# Altium PCB Template_F411.PcbDoc
Units mil, origin at the board's own origin, x right, y up, seen from the top; angles counter-clockwise.
Board outline 6000 x 4000 mil, 2 copper layers (Top Layer, Bottom Layer), stack 61.2 mil thick; 35 components, 51 nets, 215 pads, 100 vias.
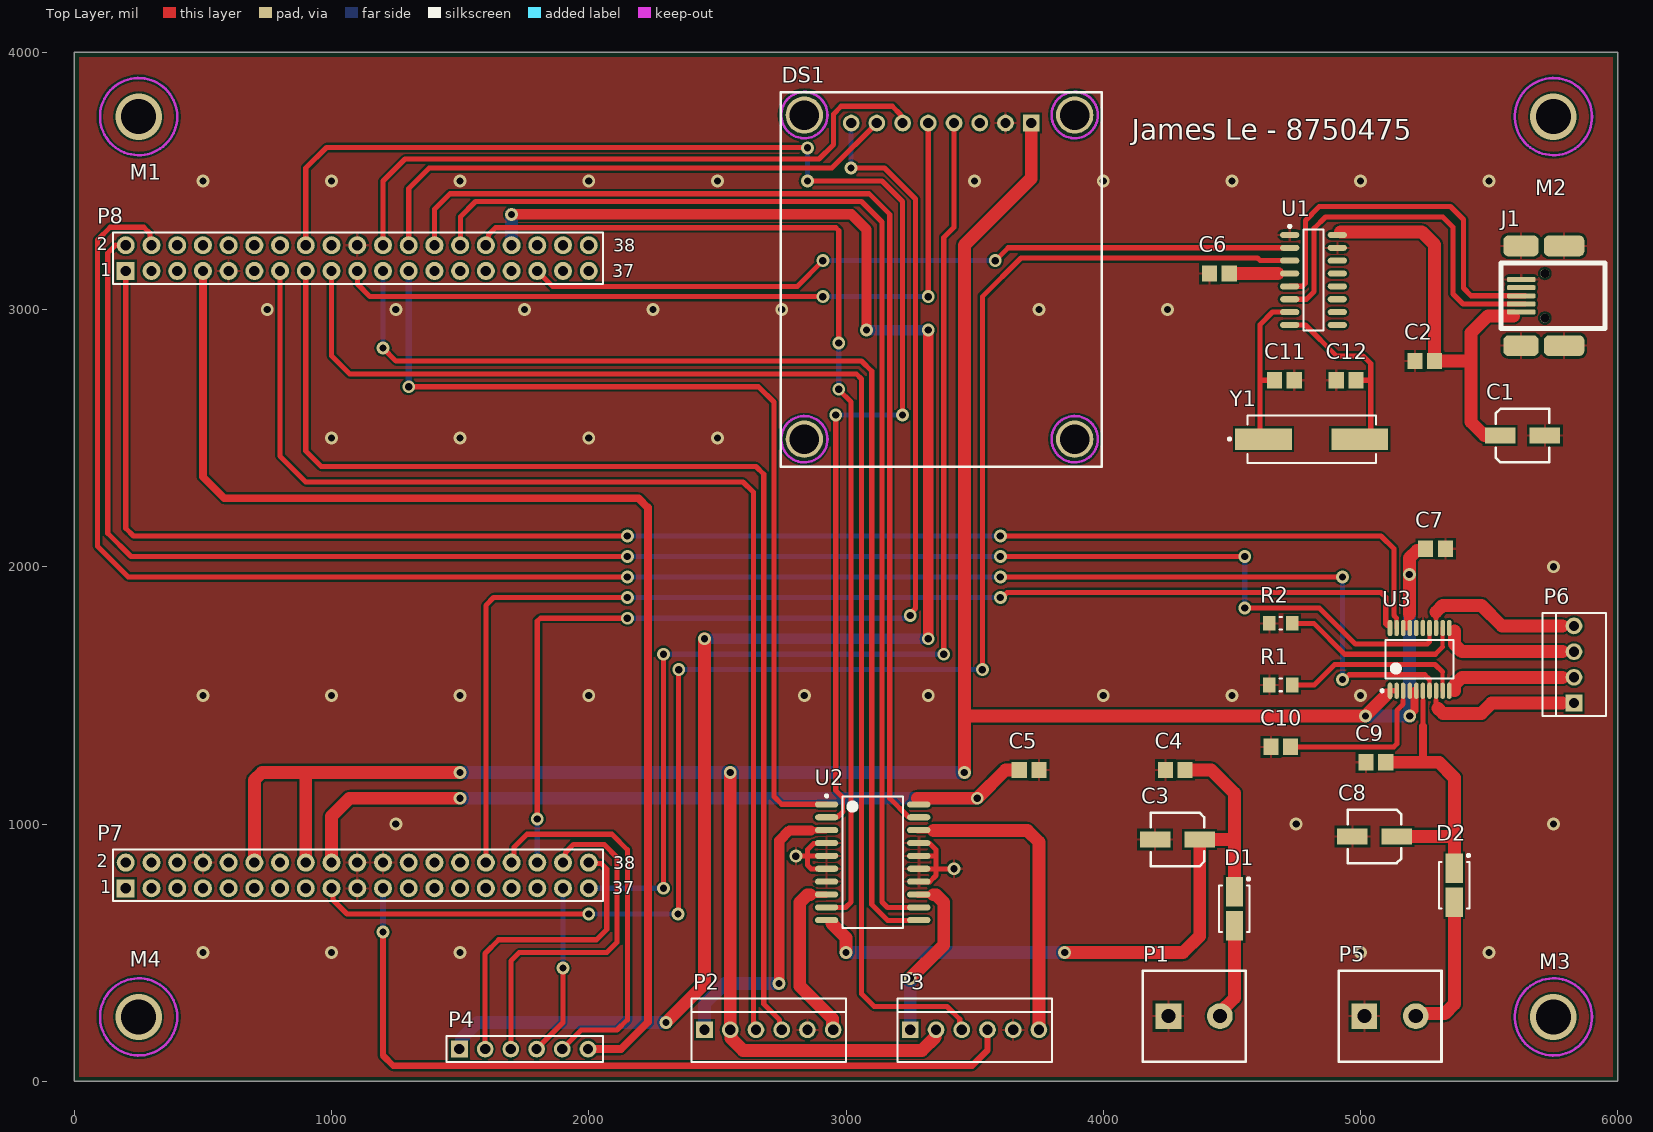
[diagram p0: Top Layer view]
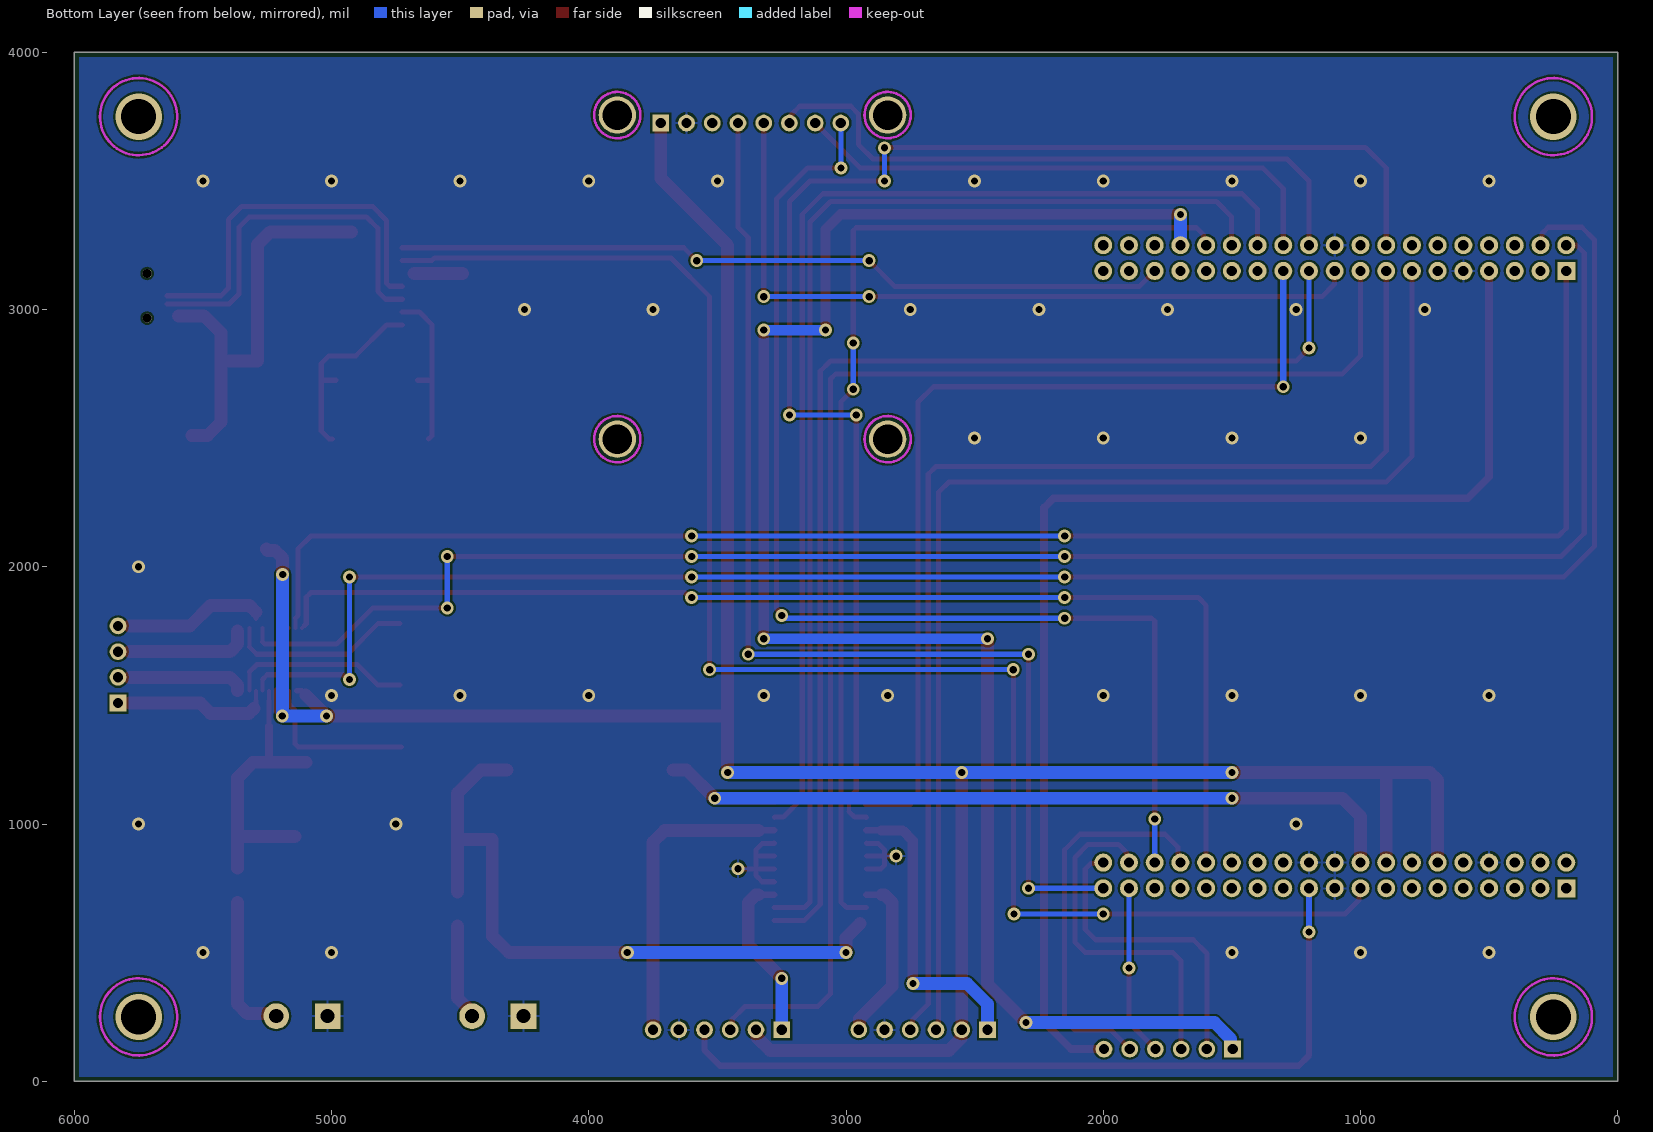
[diagram p1: Bottom Layer view, seen from below]
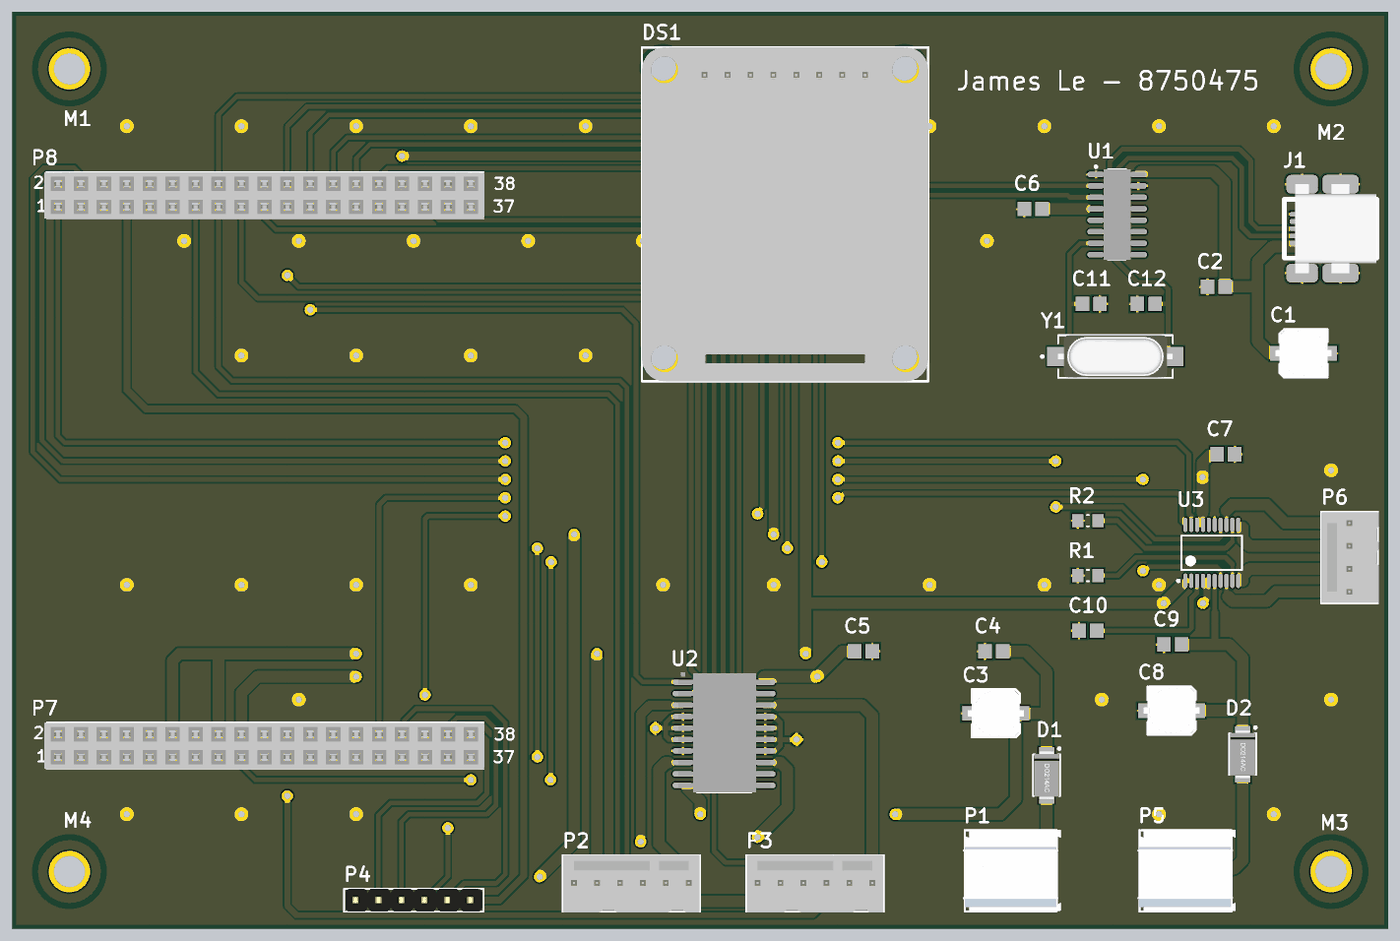
[diagram p2: 3D render of the assembled board from above, using the file's embedded part models]

## Layer stack, top to bottom
Top Solder: solder mask 0.4, Solder Resist, Dk 3.5
Top Layer: signal copper 1.4
Dielectric 1: dielectric 58.4, FR-4, Dk 4.8
Bottom Layer: signal copper 1.4
Bottom Solder: solder mask 0.4, Solder Resist, Dk 3.5

## Board outline
0,0 6000,0 6000,4000 0,4000

## Design rules (kind name [scope] priority, off if disabled: settings)
Clearance "Stitching GND" [IsStitchingVia and InNet('GND') vs (IsVia and (Not IsStitchingVia)) Or IsPad] p1: gap=20 ignorepadtopadclearanceinfootprint=FALSE
Clearance [All] p2: gap=8 ignorepadtopadclearanceinfootprint=TRUE
Clearance PowerClearance [InNetClass('POWER')] p3: gap=30 ignorepadtopadclearanceinfootprint=TRUE
HoleSize [All] p1: absolutevalues=TRUE maxlimit=150 minlimit=20 maxpercent=80.000 minpercent=20.000
MinimumAnnularRing [All] p1: minimumring=10
MinimumSolderMaskSliver [All] p1: minsoldermaskwidth=1.8
PolygonConnect [All] p1: connectstyle=Relief reliefconductorwidth=10 reliefentries=4 polygonreliefangle="90 Angle" airgapwidth=10
RoutingVias [All] p1: holewidth=28 width=50 viastyle="Through Hole" minholewidth=20 minwidth=30 maxholewidth=40 maxwidth=50
SolderMaskExpansion [All] p1: expansion=5 istentingtop=FALSE
Width Power [InNetClass('POWER')] p1: maxlimit=100 minlimit=15 preferedwidth=50
Width [All] p2: maxlimit=25 minlimit=10 preferedwidth=20
28 further rules are at their usual default settings.

## Classes and differential pairs
net class POWER: 3V3 5V AGND AVDD GND NetC6_2 NetC8_1 NetD1_2 NetD2_2 NetP2_1 NetP2_6 NetP3_1 NetP3_6 NetP6_1 NetP6_2 NetP6_3 NetP6_4 NetR1_2 NetR2_2 VBUS VMOTOR
component class Sheet3: C7 C8 C9 C10 D2 P5 P6 R1 R2 U3
component class Sheet2: C1 C2 C3 C4 C5 C6 C11 C12 D1 DS1 J1 P1 P2 P3 P4 U1 U2 Y1
component class Sheet1: P7 P8
component class Mechanical: M1 M2 M3 M4 M5

## Components (designator, comment, footprint, x,y, rotation, side; value= is the part's Value field where it differs from the comment)
C1 "Cap Pol" CAPACITOR_5MM 5630,2510 r0 top value=10uF
C2 "Cap" CAPC2012X09M 5250,2800 r0 top value=.1uF
C3 "Cap Pol" CAPACITOR_5MM 4288.4,940 r180 top value=10uF
C4 "Cap" CAPC2012X09M 4280,1210 r0 top value=.1uF
C5 "Cap" CAPC2012X09M 3711.61,1210 r180 top value=.1uF
C6 "Cap" CAPC2012X09M 4451.61,3140 r0 top value=.1uF
C7 "Cap" CAPC2012X09M 5291.61,2070 r180 top value=.1uF
C8 "Cap Pol" CAPACITOR_5MM 5054.84,951.89 r180 top value=10uF
C9 "Cap" CAPC2012X09M 5060,1240 r0 top value=.1uF
C10 "Cap" CAPC2012X09M 4690,1300 r0 top value=220pF
C11 "Cap" CAPC2012X09M 4704.29,2725 r180 top value=33pF
C12 "Cap" CAPC2012X09M 4944.29,2725 r0 top value=33pF
D1 "DIODE SCHOTTKY 40V 2A SMA" DIOM4326X23M 4510,670 r270 top
D2 "DIODE SCHOTTKY 40V 2A SMA" DIOM4326X23M 5364.84,761.89 r270 top
DS1 "OLED" OLED_RGB_0.95_96x64_Waveshare 3720,3725 r0 top
J1 "67503-1020" MOLX-67503-1020_V 5625.08,2990.39 r180 top
M1 "MOUNTING_HOLE" MOUNTING_HOLE 250,3750 r0 top locked
M2 "MOUNTING_HOLE" MOUNTING_HOLE 5750,3750 r0 top locked
M3 "MOUNTING_HOLE" MOUNTING_HOLE 5750,250 r0 top locked
M4 "MOUNTING_HOLE" MOUNTING_HOLE 250,250 r0 top locked
M5 "Nucleo-64" NUCLEO_64 7570,2670 r90 top
P1 "Terminal 2" TYCO_282841_2 4353.4,253.06 r0 top
P2 "Molex_22-11-2062" MOLEX_22-11-2062 2450,200 r0 top
P3 "Molex_22-11-2062" MOLEX_22-11-2062 3250,200 r0 top
P4 "Header 6" HDR1X6 1497.06,125 r0 top
P5 "Terminal 2" TYCO_282841_2 5115,253.06 r0 top
P6 "Molex_22-11-2042" MOLEX-22-11-2042 5830,1470 r90 top
P7 "Header 19X2H" PPPC192LFBN-RC 200,750 r0 top
P8 "Header 19X2H" PPPC192LFBN-RC 200,3150 r0 top
R1 "Res3" RESC2112X05M 4690,1540.71 r0 top value=4.99R
R2 "Res3" RESC2112X05M 4690,1780 r0 top value=4.99R
U1 "CH340G" NSO16_L 4817.48,3115 r0 top
U2 "L293DD" SO20_N 3103.81,851.1 r0 top
U3 "TB6608FNG,C8,EL" TSOP65P640X160-20M 5230,1640 r90 top
Y1 "AS-12.000-18-SMD-TR" HCS-49/U 4810,2496.16 r0 top

## Footprints (in the part's own frame and the unit in brackets; to place one, negate y for a bottom-side part, rotate by r counter-clockwise, add the part's x,y. Pads: shape width x height; smd on the part's side, far side on the other; paste and mask are expansions set on the pad)
CAPACITOR_5MM [mm]
  rect 3x1.6 smd: 1(-2.2,0) 2(2.2,0)
  silkscreen extent -2.65,-2.65 2.65,2.65, body extent -3.1,-2.65 3.1,2.65, height 6.15
CAPC2012X09M [mm] "Chip Capacitor, 2-Leads, Body 2.00x1.25mm, IPC Low Density"
  rect 1.5x1.6 smd: 1(-0.975,0) 2(0.975,0)
  body extent -1.1,-0.72 1.1,0.72, height 0.88
DIOM4326X23M [mm] "Molded Diode, 2-Leads, Body 4.30x2.60mm, IPC Low Density"
  rect 2.9x1.7 smd: 1(-1.675,0) 2(1.675,0)
  silkscreen extent -3.07,-1.5 2.3,1.53, body extent -2.74,-1.4 2.74,1.4, height 2.36
HCS-49/U [mm] "SMD, 2-Leads, Body 11.4x4.7mm"
  rect 5.6x2.1 smd: 1(-4.75,0) 2(4.75,0)
  silkscreen extent -8.22,-2.35 6.35,2.35, body extent -6.35,-2.35 6.35,2.35, height 4.16
HDR1X6 [mil] "Connector; Header; 6 Position"
  rect 65x65 hole 40: 1(0,0)
  round 65 hole 40: 2(100,0) 3(200,0) 4(300,0) 5(400,0) 6(500,0)
  silkscreen extent -50,-50 559,50, body extent -46,-48 554,50, height 370
MOLEX-22-11-2042 [mil] "CONN HEADER 4POS .100 VERT GOLD"
  rect 65x65 hole 40: 1(0,0)
  round 65 hole 40: 2(100,0) 3(200,0) 4(300,0)
  silkscreen extent -50,-124 350,123, body extent -47,-128 347,122, height 422
MOLEX_22-11-2062 [mil] "CONN HEADER 6POS .100 VERT GOLD"
  rect 65x65 hole 40: 1(0,0)
  round 65 hole 40: 2(100,0) 3(200,0) 4(300,0) 5(400,0) 6(500,0)
  silkscreen extent -50,-125 550,122, body extent -47,-128 547,122, height 422
MOLX-67503-1020_V [mm] "Mini USB Connector, SMT, Righer Angle"
  rrect50% 2.8x0.5 smd: 1(0,0) 2(0,-0.8) 3(0,-1.6) 4(0,-2.4) 5(0,-3.2)
  rrect50% 3.5x2.05 smd: 6(0.025,3.325) 8(0.025,-6.525)
  rrect50% 4x2.05 smd: 7(-4.225,3.325) 9(-4.225,-6.525)
  round 0.9 hole 0.9 unplated: X(-2.325,-3.8) Y(-2.325,0.6)
  silkscreen extent -8.25,-4.85 2,1.65, body extent -8.22,-6.56 0.78,3.34, height 3.95
MOUNTING_HOLE [mil]
  Keep-Out Layer circle w10: c0,0 r150
NSO16_L [mm] "SOIC, 16-Leads, Body 9.9x3.9mm, Pitch 1.27mm, IPC High Density"
  oval 1.9x0.6 smd: 1(-2.35,4.445) 2(-2.35,3.175) 3(-2.35,1.905) 4(-2.35,0.635) 5(-2.35,-0.635) 6(-2.35,-1.905) 7(-2.35,-3.175) 8(-2.35,-4.445) 9(2.35,-4.445) 10(2.35,-3.175) 11(2.35,-1.905) 12(2.35,-0.635) 13(2.35,0.635) 14(2.35,1.905) 15(2.35,3.175) 16(2.35,4.445)
  silkscreen extent -2.47,-5 1,5.42, body extent -3.1,-5 3.1,5, height 1.75
NUCLEO_64 [mil] "Nucleo 64 Placeholder"
  body extent -128,-1998 2628,1269, height 394
OLED_RGB_0.95_96x64_Waveshare [mil]
  rect 65x65 hole 40: 1(0,0)
  round 65 hole 40: 2(-100,0) 3(-200,0) 4(-300,0) 5(-400,0) 6(-500,0) 7(-600,0) 8(-700,0)
  round 145 hole 115: NC(-882,-1228.84) NC(-882,31) NC(169.18,-1228.84) NC(169.18,31)
  Keep-Out Layer circle w10: c-882,31 r90
  Keep-Out Layer circle w10: c169.18,31 r90
  Keep-Out Layer circle w10: c169.18,-1228.84 r90
  Keep-Out Layer circle w10: c-882,-1228.84 r90
  silkscreen extent -974,-1337 274,119, body extent -974,-1337 274,119, height 422
PPPC192LFBN-RC [mil] "38 Position Header Connector 0.100in (2.54mm) Through Hole Gold"
  rect 70x70 hole 40: 1(0,0)
  round 70 hole 40: 2(0,100) 3(100,0) 4(100,100) 5(200,0) 6(200,100) 7(300,0) 8(300,100) 9(400,0) 10(400,100) 11(500,0) 12(500,100) 13(600,0) 14(600,100) 15(700,0) 16(700,100) 17(800,0) 18(800,100) 19(900,0) 20(900,100) 21(1000,0) 22(1000,100) 23(1100,0) 24(1100,100) 25(1200,0) 26(1200,100) 27(1300,0) 28(1300,100) 29(1400,0) 30(1400,100) 31(1500,0) 32(1500,100) 33(1600,0) 34(1600,100) 35(1700,0) 36(1700,100) 37(1800,0) 38(1800,100)
  silkscreen extent -50,-50 1856,150, body extent -60,-51 1860,149, height 335
RESC2112X05M [mm] "Chip Resistor, 2-Leads, Body 2.05x1.25mm, IPC Low Density"
  rect 1.25x1.45 smd: 1(-1.125,0) 2(1.125,0)
  silkscreen extent -0.1,-0.63 0.1,0.63, body extent -1.1,-0.7 1.1,0.7, height 0.5
SO20_N [mm] "SOIC, 20-Leads, Body 12.8x7.5mm, Pitch 1.27mm, IPC Medium Density"
  oval 2.3x0.6 smd: 1(-4.55,5.715) 2(-4.55,4.445) 3(-4.55,3.175) 4(-4.55,1.905) 5(-4.55,0.635) 6(-4.55,-0.635) 7(-4.55,-1.905) 8(-4.55,-3.175) 9(-4.55,-4.445) 10(-4.55,-5.715) 11(4.55,-5.715) 12(4.55,-4.445) 13(4.55,-3.175) 14(4.55,-1.905) 15(4.55,-0.635) 16(4.55,0.635) 17(4.55,1.905) 18(4.55,3.175) 19(4.55,4.445) 20(4.55,5.715)
  silkscreen extent -4.67,-6.5 3,6.69, body extent -5.04,-6.52 5.15,6.82, height 2.67
TSOP65P640X160-20M [mm] "TSOP, 20-Leads, Body 6.85x4.40mm, Pitch 0.65mm, IPC Low Density"
  oval 1.6x0.45 smd: 1(-3.1,2.925) 2(-3.1,2.275) 3(-3.1,1.625) 4(-3.1,0.975) 5(-3.1,0.325) 6(-3.1,-0.325) 7(-3.1,-0.975) 8(-3.1,-1.625) 9(-3.1,-2.275) 10(-3.1,-2.925) 11(3.1,-2.925) 12(3.1,-2.275) 13(3.1,-1.625) 14(3.1,-0.975) 15(3.1,-0.325) 16(3.1,0.325) 17(3.1,0.975) 18(3.1,1.625) 19(3.1,2.275) 20(3.1,2.925)
  silkscreen extent -3.22,-3.35 1.9,3.82, body extent -3.2,-3.35 3.2,3.35, height 1.6
TYCO_282841_2 [mil]
  rect 100x100 hole 55: 1(-100,0)
  round 100 hole 55: 2(100,0)
  silkscreen extent -200,-177 200,177, body extent -209,-174 219,180, height 600

## Part data
C1 C3 C8: library part "Cap Polar-10uF-35V", "CAP 85C 10uF ±20% 35V WX Series Aluminum Electrolytic", Leakage Current=3.5, MPN=UWX1V100MCL1GB, Rated Ripple Current=29, Voltage=35V, Diameter=5, Name="Cap Polar-10uF-35V", PN=493-2117-1-ND, Tan Theta=0.12, URL=http://www.digikey.ca/product-detail/en/UWX1V100MCL1GB/493-2117-1-ND
C2 C4 C5 C6 C7 C9: library part CAP-X7R-.1uF-50V-±5%, "CAP CER .1uF 50v X7R 0805", MPN=C0805C104J5RACTU, Tolerance=±5%, Name=CAP-X7R-.1uF-50V-±5%, PN=399-1171-1-ND, Type=X7R, URL=http://www.digikey.ca/product-detail/en/C0805C104J5RACTU/399-1171-1-ND, WV=50
C10: library part CAP-X7R-220pF-50V-±10%, "CAP CER 220pF 50v X7R 0805", MPN=C0805C221K5RACTU, Tolerance=±10%, Name=CAP-X7R-220pF-50V-±10%, PN=399-1138-1-ND, Type=X7R, URL=http://www.digikey.ca/product-detail/en/C0805C221K5RACTU/399-1138-1-ND, WV=50
C11 C12: library part CAP-COG-33pF-50V-±5%, "CAP CER 33pF 50v COG 0805", MPN=C0805C330J5GACTU, Tolerance=±5%, Name=CAP-COG-33pF-50V-±5%, PN=399-1115-1-ND, Type=COG, URL=http://www.digikey.ca/product-detail/en/C0805C330J5GACTU/399-1115-1-ND, WV=50
D1 D2: "Schottky Rectifier", MPN=B240A-13-F, PN=B240A-FDICT-ND, URL=http://www.digikey.ca/product-detail/en/B240A-13-F/B240A-FDICT-ND
DS1: library part OLED_RGB_0.95_96x64_Waveshare, "Waveshare 0.95 inch OLED Module", MPN=PPPC081LFBN-RC, PN=S7041-ND, URL=https://www.digikey.ca/en/products/detail/sullins-connector-solutions/PPPC081LFBN-RC/810180
J1: library part MOLX-67503-1020, "USB, MINI, SMD, RA KME04-USBMU03A01", Manufacturer=Molex, ComponentLink1Description="Manufacturer URL", ComponentLink1URL=http://www.molex.com/, ComponentLink2Description=Datasheet, ComponentLink2URL=http://www.molex.com/pdm_docs/sd/675031020_sd.pdf, DatasheetVersion="Rev F, 06/2009", Mounting Technology="Surface Mount", PackageDescription="Mini USB Connector, SMT, Righer Angle", PackageReference=67503-1020, PartNumber=67503-1020, Terminal Pitch="0.8 mm"
M1 M2 M3 M4: "Mounting Hole"
M5: "Nucleo-64 Board Model"
P1 P5: "Terminal, 2-Pin", MPN=282841-2, LatestRevisionDate=17-Jul-2002, LatestRevisionNote="Re-released for DXP Platform.", PN=A98342-ND, Publisher="Altium Limited", URL=http://www.digikey.ca/product-detail/en/282841-2/A98342-ND/1136740
P2 P3: "CONN HEADER 6POS .100 VERT GOLD", MPN=0022112062, PN=WM2704-ND, URL=http://www.digikey.ca/product-detail/en/0022112062/WM2704-ND
P4: "Header, 6-Pin Male", MPN=PEC06SFAN, PN=S1212E-06-ND, URL=http://www.digikey.ca/product-detail/en/PEC06SFAN/S1212E-06-ND
P6: "CONN HEADER 4POS .100 VERT GOLD", MPN=0022112042, PN=WM2702-ND, URL=http://www.digikey.ca/product-detail/en/0022112042/WM2702-ND
P7 P8: "38 Position Header Connector 0.100in (2.54mm) Through Hole Gold", MPN=PPPC192LFBN-RC, PN=S7122-ND, URL=https://www.digikey.ca/product-detail/en/sullins-connector-solutions/PPPC192LFBN-RC/S7122-ND
R1 R2: library part Resistor_4.99R, "RES SMD 4.99R OHM 1% 1/8W 0805", MPN=CRCW08054R99FKEA, Name=Resistor_4.99R, PN=541-4.99CCCT-ND, URL=http://www.digikey.ca/product-detail/en/CRCW08054R99FKEA/541-4.99CCCT-ND
U1: "USB to serial chip", MPN=CH340G, PN=CH340G, URL=https://www.mpja.com/download/35227cpdata.pdf
U2: "IC MOTOR DRIVER PAR 20-SOIC", MPN=L293DD013TR, Code_IPC=SOIC127P1030-20, Code_JEDEC=MS-013-AC, ComponentLink1Description="Manufacturer Link", ComponentLink1URL=http://www.st.com/, ComponentLink2Description=Datasheet, ComponentLink2URL=http://www.st.com/stonline/products/literature/ds/1330/l293d.pdf, DatasheetVersion=Jun-1996, LatestRevisionDate=13-Apr-2006, LatestRevisionNote="IPC-7351 Footprint Added.", PackageDescription="20-Pin Plastic Small Outline Integrated Circuit 1.27 mm Pitch", PackageReference=SO20, PackageVersion=Jul-2001, PN=497-2937-1-ND, Published=8-Jun-2000, Publisher="Altium Limited", URL=http://www.digikey.ca/product-detail/en/L293DD013TR/497-2937-1-ND
U3: "IC MTR DRV BIPLR 2.7-5.5V 20SSOP", MPN=TB6608FNG,C8,EL, PN=TB6608FNGC8ELCT-ND, URL=https://www.digikey.ca/en/products/detail/toshiba-semiconductor-and-storage/TB6608FNG-C8-EL/1730074
Y1: "CRYSTAL 12.0000MHZ 18PF SMD", MPN=AS-12.000-18-SMD-TR, PN=2151-AS-12.000-18-SMD-TRCT-ND, URL=https://www.digikey.ca/en/products/detail/raltron-electronics/AS-12-000-18-SMD-TR/10271753

## Via types
v1: diameter 50, hole 28, Top Layer to Bottom Layer, 96 vias
v2: diameter 180, hole 136, Top Layer to Bottom Layer, 4 vias

## Nets (pads, with @x,y where several pads share a name; then routed paths per layer and width w, separated by ;. In a path a pad name is that pad's centre, name@x,y a point inside that pad or via, vN(x,y) a via of type N, cw(c..) or ccw(c..) an arc to the next point about the centre after c; other vN are vias at no path point)
3V3: C7.2 DS1.1 P2.2 P3.2 P7.12 P7.16 U3.1 U3.2 U3.4 U3.5 U3.17 U3.18 | length 10888.8
  Top Layer w20: 5100,1501.18 5114.84,1516.02 U3.1 ; U3.1@5116.77,1517.95 U3.2@5135.16,1517.95 ; U3.18@5170,1762.05 U3.17@5190,1762.05 ; 5180,1772.05 5180,1806.66 5186.96,1813.62 ; U3.4@5200,1517.95 U3.5@5210,1517.95
  Top Layer w30: v1(5191.61,1420) 5191.61,1423.28 5209.8,1441.46 U3.5@5209.8,1517.75
  Top Layer w50: P7.12 700,1170.71 729.29,1200 900,1200 ; P7.16 900,1200 ; v1(1500,1200) 900,1200 ; v1(2550,1200) P2.2 2552.87,197.13 2552.87,167.13 2600,120 3295.69,120 3347.13,171.44 3347.13,197.13 P3.2 ; v1(3460,1200) 3460,1420 ; DS1.1 3720,3510 3460,3250 3460,1420 ; 5100,1501.18 5020,1421.18 v1(5020,1420) 3460,1420 ; 5190,1816.66 v1(5190,1970) 5190,2034.21 5219.29,2063.5 5248.7,2063.5 5253.23,2068.03 C7.2
  Bottom Layer w50: v1(1500,1200) v1(3460,1200) ; v1(5020,1420) v1(5191.61,1420) 5190,1421.61 v1(5190,1970)
5V: C5.2 P7.18 U2.20 | length 3160.5
  Top Layer w50: P7.18 1000,1030 1070,1100 v1(1500,1100) ; 3277.28,1100 v1(3510,1100) 3620,1210 C5.2
  Bottom Layer w50: v1(1500,1100) v1(3510,1100)
AGND: P4.1 P8.32 | length 6643.4
  Top Layer w40: v1(1700,3370) 3020,3370 3080,3310 v1(3080,2920) ; v1(3320,1720) v1(3320,2920)
  Top Layer w50: v1(2300,227.94) 2450,377.94 v1(2450,1720)
  Bottom Layer w40: v1(2450,1720) v1(3320,1720) ; v1(3080,2920) v1(3320,2920)
  Bottom Layer w50: P4.1 1504.56,132.5 1504.56,164.56 1567.94,227.94 v1(2300,227.94) ; P8.32 v1(1700,3370)
ANALOG_IN_1: P4.2 P7.38 | length 1198.9
  Top Layer w20: P4.2 1597.06,497.06 1650,550 2030,550 2070,590 2070,825 2048.46,846.54 2003.46,846.54 P7.38
ANALOG_IN_2: P4.3 P7.36 | length 1392.5
  Top Layer w20: P4.3 1697.06,467.06 1730,500 2070,500 2110,540 2110,870 2060,920 1940,920 1909.57,889.57 1909.57,859.57 P7.36
ANALOG_IN_3: P4.4 P7.35 | length 667.6
  Top Layer w20: P4.4 1900,227.94 v1(1900,440)
  Bottom Layer w20: v1(1900,440) P7.35
ANALOG_OUT: P4.5 P7.32 | length 1511
  Top Layer w20: P7.32 1709.57,859.57 1709.57,909.57 1760,960 2090,960 2150,900 2150,390 2150,238.68 2110,198.68 1970.75,198.68 P4.5
AVDD: P4.6 P8.7 | length 4856.1
  Top Layer w30: P8.7 500,2350 583.17,2266.83 2193.17,2266.83 2230,2230 2230,230 2125,125 P4.6
GND: C1.2 C2.1 C3.2 C4.1 C5.1 C6.1 C7.1 C8.2 C9.1 C10.1 C11.1 C12.1 DS1.2 J1.5 J1.6 J1.7 J1.8 J1.9 P1.1 P2.5 P3.5 P5.1 P7.8 P7.19 P7.20 P7.22 P8.9 P8.20 R1.1 R2.1 U1.1 U1.15 U2.4 U2.5 U2.6 U2.7 U2.14 U2.15 U2.16 U2.17 U3.15 | length 808.8
  Top Layer w20: v1(2805,875) 2850,875 ; U2.6@2920.87,825 2920.17,825.69 2864.31,825.69 2850,840 2850,875 ; U2.5@2920.87,875 2850,875 ; U2.4@2920.87,925 2920.17,924.31 2874.31,924.31 2850,900 2850,875 ; U2.14@3279.13,775 3279.83,775.69 3325.69,775.69 3350,800 3350,825 ; U2.15@3279.13,825 3350,825 ; U2.16@3279.13,875 3350,875 ; U2.17@3279.13,925 3279.83,924.31 3325.69,924.31 3350,900 3350,875 ; v1(3420,826.1) 3418.9,825 3350,825 ; 3350,825 3350,875
  other v1: 500,500 1000,500 1500,500 5000,500 5500,500 1250,1000 4750,1000 5750,1000 500,1500 1000,1500 1500,1500 2000,1500 2838,1500 3320,1500 4000,1500 4500,1500 5000,1500 5750,2000 1000,2500 1500,2500 2000,2500 2500,2500 750,3000 1250,3000 1750,3000 2250,3000 2750,3000 3750,3000 4250,3000 500,3500 1000,3500 1500,3500 2000,3500 2500,3500 3500,3500 4000,3500 4500,3500 5000,3500 5500,3500
MOTOR1_DIR1: P8.16 U2.2 | length 5534.9
  Top Layer w15: 2987.95,1047.95 2987.95,1102.05
  Top Layer w20: P8.16 900,3550 980,3630 2848.71,3630 v1(2850.14,3628.58) ; v1(2850,3500) 3140,3500 3220,3420 v1(3220,2590) ; U2.2@2921.56,1025.69 2922.65,1026.79 2966.79,1026.79 2987.95,1047.95 ; v1(2960,2590) 2960,1130 2987.95,1102.05
  Bottom Layer w20: v1(2850,3500) 2850.14,3500.14 v1(2850.14,3628.58) ; v1(2960,2590) v1(3220,2590)
MOTOR1_DIR2: P8.30 U2.9 | length 4160.2
  Top Layer w20: P8.30 1609.57,3259.57 1609.57,3289.57 1637.96,3317.96 2960.32,3317.96 2972.04,3306.25 v1(2972.04,2870) ; U2.9@2920.87,675 2921.27,675.4 2961.4,675.4 2961.8,675 2997.88,675 3020,697.12 3020,2640 2972.04,2687.96 v1(2972.04,2690)
  Bottom Layer w20: v1(2972.04,2690) v1(2972.04,2870)
MOTOR1_ENCODER_A: P2.3 P8.13 | length 4712.1
  Top Layer w20: P8.13 800,2430 900,2330 2600,2330 2640,2290 2640,234.22 2641.39,232.83 2641.39,208.61 P2.3
MOTOR1_ENCODER_B: P2.4 P8.15 | length 4706.3
  Top Layer w20: P8.15 900,2450 960,2390 2650,2390 2680,2360 2680,300 2741.39,238.61 2741.39,208.61 P2.4
MOTOR1_PWM: P8.23 U2.1 | length 3645.5
  Top Layer w20: v1(1300,2700) 2660,2700 2720,2640 2720,1106.79 2750,1076.79 2923.99,1076.79 U2.1
  Bottom Layer w25: v1(1300,2700) P8.23
MOTOR2_DIR1: P8.28 U2.12 | length 4599.7
  Top Layer w20: P8.28 1500.96,3250.96 1500.96,3360.96 1560,3420 3060,3420 3140,3340 3140,696.72 3161.72,675 3245.82,675 3246.23,675.4 3278.73,675.4 U2.12@3279.13,675
MOTOR2_DIR2: P8.26 U2.19 | length 4377.2
  Top Layer w20: P8.26 1400.96,3250.96 1400.96,3390.96 1460,3450 3090,3450 3170,3370 3170,1100 3243.21,1026.79 3277.35,1026.79 U2.19@3278.44,1025.69
MOTOR2_ENCODER_A: P3.3 P8.17 | length 5284.6
  Top Layer w20: P8.17 1000,2820 1070,2750 3040,2750 3060,2730 3060,340 3110,290 3393.06,290 3442.34,240.73 3442.34,207.66 P3.3
MOTOR2_ENCODER_B: P3.4 P7.21 | length 3121.4
  Top Layer w25: v1(1200,580) 1200,100 1240,60 3490,60 3550,120 P3.4
  Bottom Layer w25: v1(1200,580) P7.21
MOTOR2_PWM: P8.21 U2.11 | length 4515
  Top Layer w20: v1(1200,2850) 1250,2800 3060,2800 3100,2760 3100,687.12 3162.12,625 U2.11@3279.13,625
  Bottom Layer w20: v1(1200,2850) P8.21
NetC6_2: C6.2 U1.4 | length 190
  Top Layer w50: C6.2 4680,3140
NetC8_1: C8.1 C9.2 D2.1 U3.6 | length 1134.8
  Top Layer w15: 5242.8,1480 U3.6
  Top Layer w20: 5242.8,1390 5242.8,1480
  Top Layer w30: 5242.8,1240 5242.8,1380
  Top Layer w50: C9.2 5242.8,1240 5304.84,1240 5364.84,1180 5364.84,951.89 ; C8.1 5364.84,951.89 ; D2.1 5364.84,951.89
NetC10_2: C10.2 U3.3 | length 634.3
  Top Layer w15: 5166.02,1480 U3.3
  Top Layer w20: C10.2 5129.74,1300 5141.46,1311.72 5141.46,1441.46 5166.02,1466.02 5166.02,1480
NetC11_2: C11.2 U1.7 Y1.1 | length 642.4
  Top Layer w20: Y1.1 4610,2509.15 4610,2725.68 ; C11.2 4610.68,2725 4610,2725.68 ; U1.7 4657.79,2990 4610,2942.21 4610,2725.68
NetC12_2: C12.2 U1.8 Y1.2 | length 753
  Top Layer w20: U1.8 4785.91,2940 4905.91,2820 5010,2820 5040,2790 5040,2725 ; C12.2 5040,2725 ; Y1.2 5008.66,2496.16 5040,2527.5 5040,2725
NetD1_2: D1.2 P1.2 | length 374.4
  Top Layer w50: P1.2 4453.4,266.59 4510,323.2 D1.2
NetD2_2: D2.2 P5.2 | length 565.2
  Top Layer w50: P5.2 5224.57,262.63 5327.47,262.63 5364.84,300 D2.2
NetJ1_2: J1.2 U1.6 | length 1482.5
  Top Layer w20: U1.6 4790,3040 4820,3070 4820,3315.91 4864.09,3360 5320,3360 5360,3320 5360,3060 5398.11,3021.89 J1.2@5638.47,3021.89
NetJ1_3: J1.3 U1.5 | length 1484.3
  Top Layer w20: U1.5 4725.65,3090.69 4774.19,3090.69 4785.91,3102.41 4785.91,3345.91 4840,3400 5350,3400 5400,3350 5400,3083.39 5430,3053.39 J1.3@5638.47,3053.39
NetP2_1: P2.1 U2.3 | length 1175.6
  Top Layer w25: 2862.93,975 U2.3@2920.87,975
  Top Layer w40: v1(2740,380) 2740,935 2780,975 2862.93,975
  Bottom Layer w50: P2.1 2450,300 2530,380 v1(2740,380)
NetP2_6: P2.6 U2.8 | length 662.1
  Top Layer w25: 2860,725 U2.8@2920.87,725
  Top Layer w50: 2860,725 2850,725 2820,695 2820,370 2947.13,242.87 2947.13,202.87 P2.6
NetP3_1: P3.1 U2.13 | length 662.1
  Top Layer w25: U2.13@3279.13,725 3340,725
  Top Layer w50: v1(3250,400) 3380,530 3380,695 3350,725 3340,725
  Bottom Layer w50: P3.1 v1(3250,400)
NetP3_6: P3.6 U2.18 | length 1209.5
  Top Layer w25: U2.18@3279.13,975 3330,975
  Top Layer w50: 3340,975 3705,975 3750,930 P3.6
NetP6_1: P6.1 U3.8 | length 579.9
  Top Layer w15: 5293.98,1480 U3.8
  Top Layer w20: 5293.98,1480 5293.98,1456.82 5300.8,1450
  Top Layer w50: 5300.8,1450 5320.8,1430 5470,1430 5510,1470 5785.11,1470
NetP6_2: P6.2 U3.10 | length 455.2
  Top Layer w50: 5364.84,1517.95 5364.84,1540.71 5394.13,1570 5785.11,1570
NetP6_3: P6.3 U3.11 | length 483.1
  Top Layer w50: 5364.84,1750 5364.84,1699.29 5394.13,1670 5785.11,1670
NetP6_4: P6.4 U3.13 | length 559
  Top Layer w20: 5293.98,1800 5293.98,1823.98
  Top Layer w50: 5293.98,1823.98 5320,1850 5470,1850 5550,1770 5785.11,1770
NetR1_2: R1.2 U3.9 | length 702.8
  Top Layer w15: U3.9 5319.57,1590.43
  Top Layer w20: R1.2 4820.71,1540.71 4900,1620 5290,1620 5319.57,1590.43
NetR2_2: R2.2 U3.12 | length 720.2
  Top Layer w15: 5319.57,1688.77 U3.12
  Top Layer w20: R2.2 4818.39,1780 4938.39,1660 5290.8,1660 5319.57,1688.77
OLED_CS: DS1.6 P8.22 | length 2501
  Top Layer w20: P8.22 1200,3500 1285.58,3585.58 2895.58,3585.58 2951,3641 2951,3759.29 2981.72,3790 3180,3790 3211.39,3758.61 3211.39,3733.61 DS1.6
OLED_DC: DS1.7 P8.24 | length 2145.6
  Top Layer w20: P8.24 1300,3470 1380,3550 2945,3550 DS1.7
OLED_MOSI: DS1.4 P7.37 | length 4371.6
  Top Layer w20: v1(2290,750) v1(2290,1660) ; v1(3380,1660) 3380,3280 3420,3320 DS1.4
  Bottom Layer w20: P7.37 v1(2290,750) ; v1(2290,1660) v1(3380,1660)
OLED_RES: DS1.8 P7.34 | length 4500.3
  Top Layer w20: v1(1800,1020) 1800,1788.28 1811.72,1800 v1(2150,1800) ; v1(3020,3550) 3150,3550 3270,3430 3270,1838.12 3250,1818.12 v1(3250,1810)
  Bottom Layer w20: P7.34 v1(1800,1020) ; v1(2150,1800) 3231.88,1800 3241.88,1810 v1(3250,1810) ; v1(3020,3550) DS1.8
OLED_SCK: DS1.5 P8.19 | length 2965.7
  Top Layer w20: P8.19 1101.27,3148.73 1101.27,3098.73 1150,3050 v1(2910,3050) ; v1(3320,3050) DS1.5
  Bottom Layer w20: v1(2910,3050) v1(3320,3050)
STEPPER_DIR: P8.4 U3.7 | length 7158.5
  Top Layer w15: U3.7 5268.39,1561.61
  Top Layer w20: P8.4 294.04,3255.96 294.04,3295.96 270,3320 140,3320 90,3270 90,2080 210,1960 v1(2150,1960) ; v1(3600,1960) v1(4930,1960) ; v1(4930,1561.61) 4938.12,1561.61 4956.5,1580 5250,1580 5268.39,1561.61
  Bottom Layer w20: v1(2150,1960) v1(3600,1960) ; v1(4930,1561.61) v1(4930,1960)
STEPPER_ENABLE: P8.1 U3.19 | length 6275.6
  Top Layer w15: U3.19 5140.64,1762.25 5140.64,1800
  Top Layer w20: P8.1 200,2150 230,2120 v1(2150,2120) ; v1(3600,2120) 5080,2120 5130,2070 5130,1810.64 5140.64,1800
  Bottom Layer w20: v1(2150,2120) v1(3600,2120)
STEPPER_RESET: P8.2 U3.14 | length 6623.1
  Top Layer w15: 5268.39,1708.39 U3.14
  Top Layer w20: 160,3250 130,3220 130,2130 220,2040 v1(2150,2040) ; v1(3600,2040) 4549.75,2040 v1(4550,2039.75) ; v1(4550,1840) 4840,1840 4980,1700 5260,1700 5268.39,1708.39
  Bottom Layer w20: v1(2150,2040) v1(3600,2040) ; v1(4550,1840) v1(4550,2039.75)
STEPPER_STEP: P7.30 U3.20 | length 4653.1
  Top Layer w15: 5104.26,1772.63 U3.20
  Top Layer w20: P7.30 1600,1850 1630,1880 v1(2150,1880) ; v1(3600,1880) 3606.72,1880 3626.72,1900 5080,1900 5098.39,1881.61 5098.39,1778.5 5104.26,1772.63
  Bottom Layer w20: v1(2150,1880) v1(3600,1880)
USB_UART_RX: P8.33 U1.2 | length 3012.2
  Top Layer w20: P8.33 1860,3090 2810.5,3090 2910,3189.5 v1(2910,3190) ; v1(3580,3190) 3580.5,3190 3630.5,3240 U1.2
  Bottom Layer w20: v1(2910,3190) v1(3580,3190)
USB_UART_TX: P7.17 U1.3 | length 6254.5
  Top Layer w20: P7.17 1005.96,744.04 1005.96,704.04 1060,650 v1(2000,650) ; v1(2347.29,650) 2348.65,651.35 2348.65,1598.65 v1(2350,1600) ; v1(3530,1600) 3530,3050 3680,3200 4600,3200 4610,3190 U1.3
  Bottom Layer w20: v1(2000,650) v1(2347.29,650) ; v1(2350,1600) v1(3530,1600)
VBUS: C1.1 C2.2 J1.1 U1.16 | length 1655.1
  Top Layer w50: 4922,3302 5238,3302 5288.39,3251.61 C2.2 5430,2800 ; C1.1 5542.89,2510.49 5482.05,2510.49 5430,2562.54 5430,2800 ; 5594.96,2975.24 5495.24,2975.24 5430,2910 5430,2800
VMOTOR: C3.1 C4.2 D1.1 U2.10 | length 2660.6
  Top Layer w50: 2944.95,612.91 3000,557.86 v1(3000,500) ; v1(3850,500) 4310,500 4375.01,565.01 C3.1 4510,940 ; C4.2 4420,1210 4510,1120 4510,940 ; D1.1 4510,940
  Bottom Layer w50: v1(3000,500) v1(3850,500)
pads on no net: DS1.3 DS1.NC J1.4 J1.X J1.Y P7.1 P7.2 P7.3 P7.4 P7.5 P7.6 P7.7 P7.9 P7.10 P7.11 P7.13 P7.14 P7.15 P7.23 P7.24 P7.25 P7.26 P7.27 P7.28 P7.29 P7.31 P7.33 P8.3 P8.5 P8.6 P8.8 P8.10 P8.11 P8.12 P8.14 P8.18 P8.25 P8.27 P8.29 P8.31 P8.34 P8.35 P8.36 P8.37 P8.38 U1.9 U1.10 U1.11 U1.12 U1.13 U1.14 U3.16
copper on no net:
  other v2: 250,250 5750,250 250,3750 5750,3750

## Polygon pours and split planes (outlines as drawn)
GND on Bottom Layer "GND_L02_P000" (solid, pour order 0): 0,0 6000,0 6000,4000 0,4000
GND on Top Layer "GND_L01_P001" (solid, pour order 1): 0,0 6000,0 6000,4000 0,4000

## Silkscreen, mask and mechanical layers (free items; w line width, h text height)
Top Overlay:
  text "James Le - 8750475" at 4110,3660 h80
Outline:
  the board outline again, w20
Drill Drawing:
  drawing of 256 lines, arcs and shapes, not listed
  text "Symbol" at 6388.74,2210 h72
  text "Count" at 6894.62,2210 h72
  text "Hole Size" at 7484.46,2210 h72
  text "Plated" at 8634.12,2210 h72
  text "Hole Type" at 9140,2210 h72
  text "Drill Layer Pair" at 9873.8,2210 h72
  text "Via/Pad" at 11373.35,2210 h72
  text "Pad Shape" at 11963.2,2210 h72
  text "Template" at 12709,2210 h72
  text "Description" at 13358.83,2210 h72
  text "Hole Tolerance (+)" at 14212.59,2210 h72
  text "Hole Tolerance (-)" at 15546.2,2210 h72
  text "2" at 6894.62,2060 h60
  text "35.43mil (0.900mm)" at 7484.46,2060 h60
  text "NPTH" at 8634.12,2060 h60
  text "Round" at 9140,2060 h60
  text "Top Layer - Bottom Layer" at 9873.8,2060 h60
  text "Pad" at 11373.35,2060 h60
  text "Rounded" at 11963.2,2060 h60
  text "c90hn90" at 12709,2060 h60
  text "4" at 6894.62,1910 h60
  text "55.00mil (1.397mm)" at 7484.46,1910 h60
  text "PTH" at 8634.12,1910 h60
  text "Round" at 9140,1910 h60
  text "Top Layer - Bottom Layer" at 9873.8,1910 h60
  text "Pad" at 11373.35,1910 h60
  text "(Mixed)" at 11963.2,1910 h60
  text "(Mixed)" at 12709,1910 h60
  text "4" at 6894.62,1760 h60
  text "115.00mil (2.921mm)" at 7484.46,1760 h60
  text "PTH" at 8634.12,1760 h60
  text "Round" at 9140,1760 h60
  text "Top Layer - Bottom Layer" at 9873.8,1760 h60
  text "Pad" at 11373.35,1760 h60
  text "Rounded" at 11963.2,1760 h60
  text "c368h292" at 12709,1760 h60
  text "4" at 6894.62,1610 h60
  text "136.00mil (3.454mm)" at 7484.46,1610 h60
  text "PTH" at 8634.12,1610 h60
  text "Round" at 9140,1610 h60
  text "Top Layer - Bottom Layer" at 9873.8,1610 h60
  text "Via" at 11373.35,1610 h60
  text "Rounded" at 11963.2,1610 h60
  text "v457h345" at 12709,1610 h60
  text "96" at 6894.62,1460 h60
  text "28.00mil (0.711mm)" at 7484.46,1460 h60
  text "PTH" at 8634.12,1460 h60
  text "Round" at 9140,1460 h60
  text "Top Layer - Bottom Layer" at 9873.8,1460 h60
  text "Via" at 11373.35,1460 h60
  text "Rounded" at 11963.2,1460 h60
  text "v127h71" at 12709,1460 h60
  text "106" at 6894.62,1310 h60
  text "40.00mil (1.016mm)" at 7484.46,1310 h60
  text "PTH" at 8634.12,1310 h60
  text "Round" at 9140,1310 h60
  text "Top Layer - Bottom Layer" at 9873.8,1310 h60
  text "Pad" at 11373.35,1310 h60
  text "(Mixed)" at 11963.2,1310 h60
  text "(Mixed)" at 12709,1310 h60
  text "216 Total" at 6894.62,1160 h60
  text "Layer" at 6370.34,880 h60
  text "Name" at 6780.26,880 h60
  text "Material" at 7710,880 h60
  text "Thickness" at 8569.77,880 h60
  text "Constant" at 9219.6,880 h60
  text "Board Layer Stack" at 9789.46,880 h60
  text "Top Overlay" at 6780.26,760 h60
  text "Top Solder" at 6780.26,640 h60
  text "Solder Resist" at 7710,640 h60
  text "0.40mil" at 8569.77,640 h60
  text "3.5" at 9219.6,640 h60
  text "1" at 6370.34,520 h60
  text "Top Layer" at 6780.26,520 h60
  text "1.40mil" at 8569.77,520 h60
  text "Dielectric 1" at 6780.26,400 h60
  text "FR-4" at 7710,400 h60
  text "58.40mil" at 8569.77,400 h60
  text "4.8" at 9219.6,400 h60
  text "2" at 6370.34,280 h60
  text "Bottom Layer" at 6780.26,280 h60
  text "1.40mil" at 8569.77,280 h60
  text "Bottom Solder" at 6780.26,160 h60
  text "Solder Resist" at 7710,160 h60
  text "0.40mil" at 8569.77,160 h60
  text "3.5" at 9219.6,160 h60
  text "Bottom Overlay" at 6780.26,40 h60

## Dimensions
0,0 to 0,4000 on Drill Drawing
0,4000 to 6000,4000 on Drill Drawing

## Text inside footprints (layer, text, board x,y; h text height)
P7: Top Overlay "38" at 2095,825 h50; Top Overlay "37" at 2091,726 h50; Top Overlay "1" at 100,730 h50; Top Overlay "2" at 87,831 h50
P8: Top Overlay "38" at 2095,3225 h50; Top Overlay "37" at 2091,3126 h50; Top Overlay "1" at 100,3130 h50; Top Overlay "2" at 87,3231 h50